# KiCad board flatlight_rev21.kicad_pcb (continued)
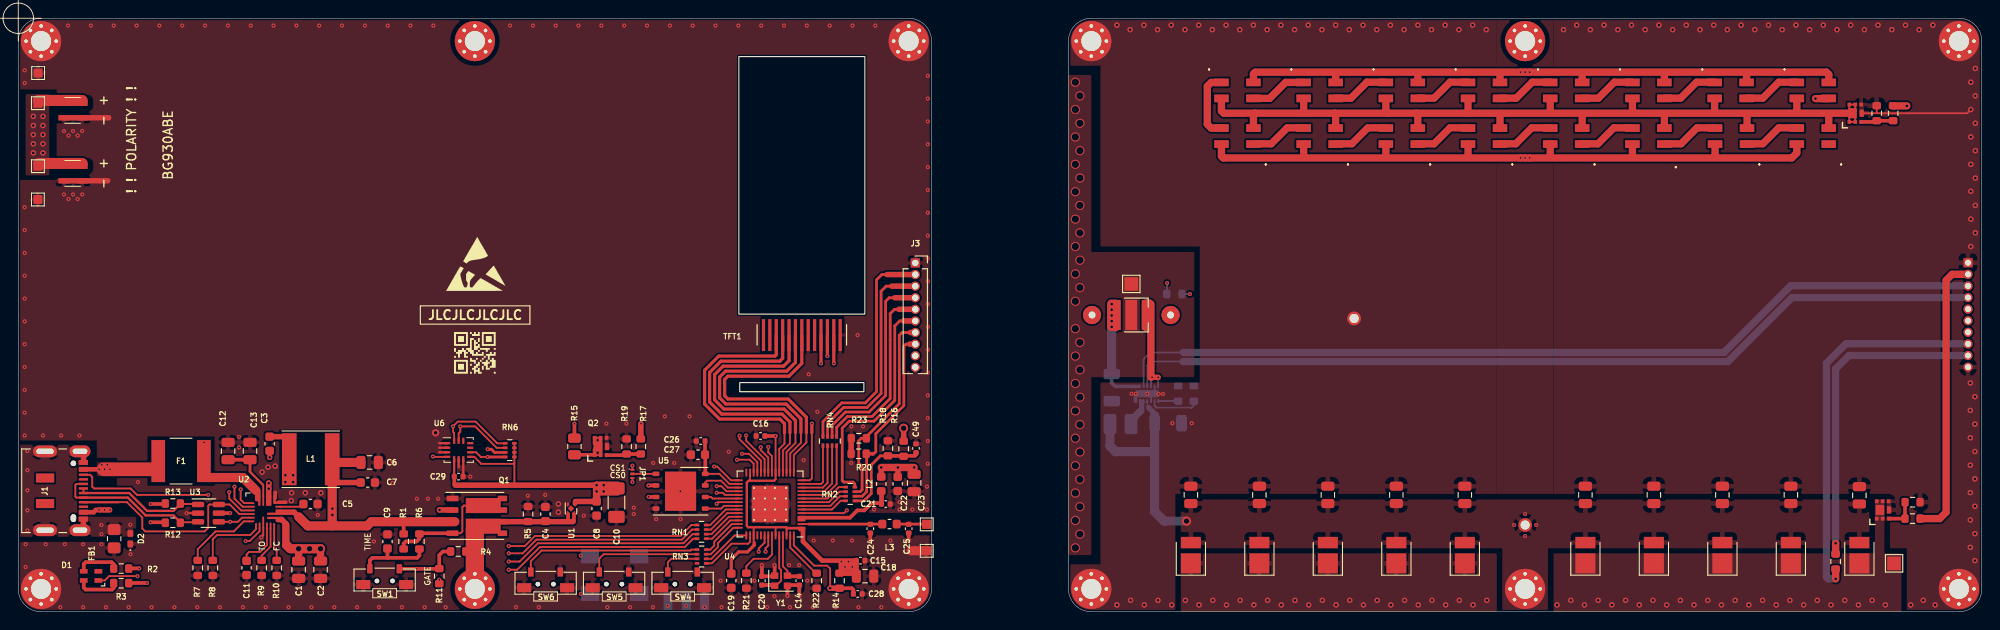
[diagram p0: board, top side]
## Routing (per net, layer and track width the routed paths; a pad name or vN(x,y) marks a point on that pad's centre or on a via; arc(x,y) is an arc through that point)
+3V3: length 301.2
  Top w0.2: U4.54 84.13,9.1 84.18,9.15 ; 47.73,14.82 C29.2 ; U4.51 82.93,9.25 ; U6.8 49.94,16.96 50.7,16.2 54.3,16.2 ; 80.53,7.23 U4.45 80.53,9.2 ; U4.27 80.13,14.35 ; v3(82.93,19.25) U4.20 82.93,14.5 ; 54.36,13.86 54.33,13.9 RN6.5 RN6.8 ; 89.93,5.6 R14.2
  Top w0.25: U6.5 47.73,14.82 ; 84.18,9.15 84.08,9.25 79.93,9.25 79.78,9.4 79.78,14.15 79.98,14.35 82.78,14.35 82.93,14.5
  Top w0.3: 85.82,9.15 84.18,9.15
  Top w0.35: TFT1.10 v3(87.9,27.2) ; C19.2 78.08,5.75 78.88,6.55 79.85,6.55 80.6,7.3 80.6,7.55 ; TFT1.12 v3(89.3,27.2)
  Top w0.4: 47.85,13.86 47.75,13.97 C29.2 ; 63.29,13.9 v1(63.33,13.86) ; C16.2 v3(82.93,19.25)
  Top w0.5: 85.63,9.05 85.93,9.05 85.93,7.7 88.03,5.6 C15.2 ; 60.97,11.84 60.97,12.1
  Top w0.6: C8.2 61.02,12.08 ; R14.2 91.45,4.22 ; v1(98.1,15.8) 98.1,14.95 ; v1(63.33,13.86) 47.85,13.86 ; 90.16,5.2 91.69,5.2 ; v1(94.5,15.8) 94.5,14.86 ; 90.16,4.8 91.69,4.8 ; C15.2 91.75,3.93 ; 96.33,15.8 96.33,14.77
  Top w0.8: v1(98.1,15.8) v1(94.5,15.8) ; 65.63,13.86 v1(63.33,13.86) ; C8.2 63.33,13.85 ; 63.32,13.12 65.63,13.12 ; v1(199,7.5) R26.1
  In2.Cu w0.4: v3(82.93,19.25) 82.93,15.28
  In2.Cu w0.5: v3(90.93,5.5) 88.15,5.5 85.45,8.2 85.45,14.99 85.12,15.31
  In2.Cu w0.6: v3(87.9,27.2) 94.5,27.2 ; J4.9 211.74,28.06 210.95,28.85 206.14,28.85 200.99,34 129.1,34 v3(128.3,34.8) ; v3(90.13,5.5) 90.13,5.57
  In2.Cu w0.8: 78.25,15.28 76.05,17.47 ; v1(94.5,15.8) 98.33,15.8
  In2.Cu w1: 76.05,17.47 63.72,17.47 ; v3(90.53,4.9) v3(91.33,4.9) ; 78.25,15.28 94.48,15.28 94.5,15.3 v1(94.5,15.8) 94.5,27.7 94.84,28.04 J3.9 ; v3(90.13,5.5) v3(90.93,5.5)
  In2.Cu w2: 63.72,16.97 63.72,13.17
  Bottom w0.2: v3(128.3,34.8) R27.1
  Bottom w0.8: v1(199,7.5) 199,26.6 200.46,28.06 J4.9
  vias: v1(63.33,13.17) v1(64.1,13.86) v1(64.1,13.17) v1(96.33,15.8)
GND: length 46
  Top w0.2: Q3.2 206.95,54.6 213.4,54.6 v1(213.8,55) ; R25.1 203.5,54.65 ; 82.83,5.08 v3(82.8,5.1) ; v3(18.43,10.8) U3.2 ; 26.65,8.1 v3(26.6,8.15) 26.83,8.38 U2.9 ; 48.73,14.82 C29.1
  Top w0.25: U6.2 46.09,17.96 ; U6.1 46.09,18.46 ; U6.3 46.09,17.46 ; U6.6 48.23,15.83 ; U6.7 48.73,14.82
  Top w0.4: 28.51,12 29.29,12 ; 81.43,3.93 v3(81.43,5.1) ; 81.51,3.89 82.74,3.89 ; 84.3,2.92 C14.2 v3(85.53,1.75) ; v3(93.3,7.8) C24.1 ; 82.83,3.92 82.83,5.08 ; 84.23,2.85 v3(84.23,1.75) ; 28.13,12.42 28.13,13.08 ; v3(97.5,7.8) C25.1
  Top w0.6: R23.1 91.2,18.98 R20.1 ; BT1.5 9.9,54.1 ; 4.9,47.2 9.8,47.2
  Top w1: TP8.1 97.77,6.67
  Bottom w0.2: U7.13 124.42,24.3 v3(124.87,23.85) ; U7.3 124.02,23.47
  Bottom w0.4: 122.33,23.08 122.33,23.57
  vias: v1(26.7,15.3) v1(27.35,15.83) v1(28.12,15.95) v1(29.92,13.02) v1(29.9,12.17) v1(31.42,13.02) v1(33.12,13.02) v1(59.15,11.8) v1(59.15,10.9) v1(120.3,64.25) v1(120.3,0.75) v1(121.75,63.75) v1(121.8,1.25) v1(123.25,64.25) v1(123.3,0.75) v1(124.75,63.75) v1(124.8,1.25) v1(126.25,64.25) v1(126.3,0.75) v1(127.75,63.75) v1(129.25,64.25) v1(130.75,63.75) v1(132.25,64.25) v1(133.75,63.75) v1(135.25,64.25) v1(136.75,63.75) v1(138.25,64.25) v1(139.75,63.75) v1(141.25,64.25) v1(142.75,63.75) v1(144.25,64.25) v1(145.75,63.75) v1(147.25,64.25) v1(148.75,63.75) v1(150.25,64.25) v1(151.75,63.75) v1(153.25,64.25) v1(154.75,63.75) v1(156.25,64.25) v1(157.75,63.75) v1(159.25,64.25) v1(160.75,63.75) v1(169.2,63.75) v1(170.65,64.25) v1(172.15,63.75) v1(173.65,64.25) v1(175.15,63.75) v1(176.65,64.25) v1(178.15,63.75) v1(179.65,64.25) v1(181.15,63.75) v1(182.65,64.25) v1(184.15,63.75) v1(185.65,64.25) v1(187.15,63.75) v1(188.65,64.25) v1(190.15,63.75) v1(191.65,64.25) v1(193.15,63.75) v1(194.65,64.25) v1(196.15,63.75) v1(197.65,64.25) v1(199.15,63.75) v1(200.65,64.25) v1(202.15,63.75) v1(203.65,64.25) v1(205.15,63.75) v1(206.65,64.25) v1(207.23,0.75) v1(208.15,63.75) v1(208.6,1.25) v1(209.65,64.25) v1(209.9,0.75) v1(213.75,25.05) v1(213.75,22.05) v1(213.75,19.05) v1(213.75,16.05) v1(213.75,13.05) v1(213.75,10.05) v1(213.75,7.05) v1(213.8,58) v1(213.8,52) v1(213.8,49) v1(213.8,46.05) v1(213.8,43) v1(213.8,40) v1(214.25,23.55) v1(214.25,20.55) v1(214.25,17.55) v1(214.25,14.55) v1(214.25,11.55) v1(214.25,8.55) v1(214.25,5.6) v1(214.3,59.5) v1(214.3,56.5) v1(214.3,53.5) v1(214.3,50.5) v1(214.3,47.5) v1(214.3,44.5) v1(214.3,41.5) v3(0.7,59.3) v3(0.7,57.9) v3(0.7,44.3) v3(0.7,41.8) v3(0.7,39.3) v3(0.7,36.8) v3(0.7,34.3) v3(0.7,31.8) v3(0.7,29.3) v3(0.7,26.8) v3(0.7,24.3) v3(0.7,21.8) v3(0.7,19.3) v3(0.8,7.4) v3(0.8,4.9) v3(2.7,19.3) v3(3,7.4) v3(4.6,0.5) v3(4.7,19.3) v3(5,52.65) v3(5,45.7) v3(5.1,7.4) v3(5.45,64.2) v3(5.5,52.15) v3(5.5,45.2) v3(6,52.65) v3(6,45.7) v3(6.5,52.15) v3(6.5,45.2) v3(6.7,19.3) v3(7,52.65) v3(7,45.7) v3(7.1,7.4) v3(7.1,0.5) v3(7.95,64.2) v3(9.1,7.4) v3(9.6,0.5) v3(10.45,64.2) v3(12.1,0.5) v3(12.3,6.3) v3(12.95,64.2) v3(13.1,14.2) v3(14.6,0.5) v3(15.45,64.2) v3(17.1,0.5) v3(17.95,64.2) v3(19.6,0.5) v3(20.45,64.2) v3(22.1,0.5) v3(22.95,64.2) v3(24.18,19.15) v3(24.18,18) v3(24.6,0.5) v3(25.45,64.2) v3(27.1,0.5) v3(27.95,64.2) v3(29.6,0.5) v3(30.45,64.2) v3(32.1,0.5) v3(32.8,10.6) v3(32.95,64.2) v3(34.6,0.5) v3(35.45,64.2) v3(37.1,0.5) v3(37.95,64.2) v3(38.95,7.7) v3(39.5,0.5) v3(40.45,64.2) v3(41,16.4) v3(41,14.1) v3(42,0.5) v3(42.95,64.2) v3(43.65,12.38) v3(44.5,0.5) v3(44.85,12.38) v3(45.45,64.2) v3(45.97,12.38) v3(46.8,0.5) v3(49.5,14.8) v3(53.85,64.2) v3(54.5,0.5) v3(55.8,12.7) v3(56.35,64.2) v3(57,0.5) v3(57.7,12.8) v3(58.85,64.2) v3(61.35,64.2) v3(61.92,10.52) v3(63.85,64.2) v3(64.4,20.6) v3(64.5,0.5) v3(66.35,64.2) v3(66.6,20.6) v3(67,0.5) v3(67.4,11.4) v3(67.4,10.7) v3(68.85,64.2) v3(69.52,16.3) v3(69.5,0.5) v3(69.85,10.15) v3(70.8,21.4) v3(71.35,64.2) v3(71.83,16.3) v3(72.5,13.2) v3(72.52,10.15) v3(73.5,21.4) v3(73.85,64.2) v3(75.15,0.5) v3(76.35,64.2) v3(76.9,3.4) v3(77,0.5) v3(77.8,17.52) v3(78.85,64.2) v3(79.5,0.5) v3(80.6,3.4) v3(81.35,64.2) v3(81.4,1.7) v3(82,0.5) v3(82.8,1.7) v3(83.85,64.2) v3(84.4,5.1) v3(84.5,0.5) v3(85.5,5.1) v3(86,16.6) v3(86.35,64.2) v3(86.4,3.4) v3(86.55,26) v3(87,0.5) v3(87.1,7.8) v3(87.5,21.9) v3(88.85,64.2) v3(89.2,7.8) v3(89.5,0.5) v3(91.23,20.3) v3(91.2,16.3) v3(91.3,7.8) v3(91.35,64.2) v3(91.9,30.3) v3(92,0.5) v3(92.5,20.3) v3(93.7,11.2) v3(93.85,64.2) v3(94.5,0.5) v3(95.5,7.8) v3(96.5,12) v3(96.5,11.2) v3(97.9,11.2) v3(99.5,13.7) v3(99.5,11.2) v3(99.6,58.7) v3(99.6,56.2) v3(99.6,53.7) v3(99.6,51.2) v3(99.6,48.7) v3(99.6,46.2) v3(99.6,43.7) v3(99.6,41.2) v3(99.6,38.7) v3(99.6,36.2) v3(99.6,33.7) v3(99.6,31.2) v3(99.6,28.7) v3(99.6,26.2) v3(99.6,23.7) v3(99.6,21.2) v3(99.6,18.7) v3(99.6,16.2) v3(121.9,23.88) v3(122.37,23.88) v3(123.62,23.88) v3(125.35,23.85) v3(126.37,20.65) v3(128.5,20.65) v4(45.7,19.6)
GNDPWR: length 2.1
  Top w0.4: 7.13,9.3 J1.S1 ; 7.13,17.19 J1.S1
  Top w0.6: 7.15,16.95 7.15,16.45 ; 7.13,10.1 7.13,9.6
  vias: v3(1,17.6) v3(1,15.5) v3(1,13.3) v3(1,11.1) v3(1,8.9) v3(9.1,9.5) v3(9.1,8.5) v3(12.27,9.53)
VBUS: length 19.2
  Top w0.4: U3.5 v3(23.2,10.8)
  Top w0.6: U2.23 26.23,13.27
  Top w1: 26,13.3 24.6,14.7 20.83,14.7
  In2.Cu w0.4: v3(20.35,18.55) 19.95,18.55 19.7,18.3 19.7,11.1 20,10.8 v3(23.2,10.8)
VDD_SPI: length 7.5
  Top w0.2: U5.8 76.77,15.11 77.88,14 U4.30 ; 75.23,17.17 C27.2
  Top w0.4: C27.2 75.2,18.49 ; U5.8 75.23,17.17
+BATT: length 144.9
  Top w0.6: R16.2 v2(96.95,20.1) ; 29.3,9.5 29.3,9.65 28.85,10.1 U2.14
  Top w0.8: 29.3,9.5 29.3,7.25 29.65,6.9 ; v2(30.7,6.9) C1.2 ; v2(33.1,6.9) C2.2
  Top w1: 29.4,7.3 29.8,6.9 v2(33.1,6.9)
  Top w1.2: 7,56 2.2,56 ; 7,49.1 2.25,49.1
  In1.Cu w0.8: v2(96.95,20.1) 96.95,22.5 96.35,23.1 3.4,23.1 2.7,23.8 v1(2.7,50.25)
  vias: v1(1.65,54.25) v1(1.65,53.25) v1(1.65,52.25) v1(1.65,51.25) v1(1.65,50.25) v1(2.7,54.25) v1(2.7,53.25) v1(2.7,52.25) v1(2.7,51.25) v2(31.9,6.9)
ADC_BATV: length 10.9
  Top w0.3: RN2.5 92.61,12.15 93.4,12.94 93.4,16.07 94.4,17.08 95.23,17.08
  Top w0.4: 95.23,17.08 98.17,17.08 98.33,17.23 98.33,17.42
BNT_DIG1: length 19.9
  Top w0.2: SW6.2 56.12,5.52 57.3,6.7 73.6,6.7 73.7,6.8 RN3.5
BNT_DIG2: length 12.4
  Top w0.2: RN3.6 64.1,6.3 63.62,5.83 SW5.2
BNT_DIG3: length 4.4
  Top w0.2: SW4.2 71.12,5.42 71.5,5.8 RN3.7
CC1: length 24
  Top w0.2: U3.4 v3(23.2,9.85) 24.05,9.85 24.5,10.3 25.4,10.3 ; v3(20.8,12.8) 13,12.8 12.3,13.5 8.3,13.5 8.1,13.7 8.1,14.77 7.87,15 7.13,15
  In1.Cu w0.2: v3(20.8,12.8) 20.8,10.2 21.15,9.85 v3(23.2,9.85)
CC2: length 23.2
  Top w0.2: U2.4 24.2,10.7 23.15,11.75 U3.6 20.95,11.75 20.8,11.6 20.8,9.2 20.4,8.8 13.9,8.8 13.58,9.12 13.58,10.32 11.9,12 11,12
  Top w0.25: 11,12 7.13,12
D+: length 14.2
  Top w0.2: 7.13,13.5 7.13,13 ; U3.1 19.64,11.8 17.75,11.8
  Top w0.25: 17.75,11.8 17,11.05 14.1,11.05 12.15,13 7.13,13
D-: length 16.8
  Top w0.2: 7.13,12.5 6.35,12.5 6.25,12.6 6.25,13.88 6.38,14 7.13,14 ; 17.75,9.8 19.64,9.8 U3.3
  Top w0.25: 17.75,9.8 17,10.55 13.95,10.55 12,12.5 7.13,12.5
DISP_BACKLIGHT: length 27.6
  Top w0.2: 86.9,19.6 86.9,14.6 86.7,14.4 U4.14
  Top w0.35: 86.9,19.6 v3(86.9,20.6)
  Top w0.6: v3(68.18,20.6) 68.18,18.94 R17.1
  In1.Cu w0.4: v3(86.9,20.6) v3(68.18,20.6)
DISP_CLK: length 29.9
  Top w0.2: U4.18 83.73,17.66 84.5,18.43 84.5,19.6
  Top w0.35: 83.7,30.25 83.7,27.75 83.4,27.45 76.95,27.45 75.7,26.2 75.7,22.98 77.03,21.65 83.63,21.65 84.5,20.78 84.5,19.6
DISP_CS: length 30.6
  Top w0.2: 86.3,19.6 86.3,18.54 84.93,17.17 U4.15
  Top w0.35: 85.8,30.25 85.8,27.2 84.4,25.8 77.7,25.8 77.35,25.45 77.35,23.66 77.71,23.3 84.31,23.3 86.3,21.31 86.3,19.6
DISP_DATA: length 29.6
  Top w0.2: U4.19 83.33,17.83 83.9,18.4 83.9,19.6
  Top w0.35: TFT1.3 83,28.15 82.85,28 76.7,28 75.15,26.45 75.15,22.75 76.8,21.1 83.4,21.1 83.9,20.6 83.9,19.6
DISP_DC: length 30.2
  Top w0.2: 85.1,19.62 85.1,18.47 84.13,17.5 U4.17
  Top w0.35: 85.1,19.62 85.1,20.95 83.86,22.2 77.26,22.2 76.25,23.2 76.25,25.97 77.18,26.9 83.8,26.9 84.4,27.5 84.4,30.25
DISP_RESET: length 30.4
  Top w0.2: U4.16 84.53,17.33 85.7,18.5 85.7,19.62
  Top w0.35: 85.7,19.62 85.7,21.13 84.08,22.75 77.48,22.75 76.8,23.43 76.8,25.7 77.45,26.35 84.15,26.35 85.1,27.3 85.1,30.25
EN: length 46.9
  Top w0.2: U4.56 84.93,7.27 87.15,5.05 88.58,5.05 88.9,4.72 v1(88.9,2.58)
  Top w0.4: C28.1 91.45,2.4 91.27,2.58 89.93,2.58
  Top w0.6: v1(88.9,2.58) 89.93,2.58
  In1.Cu w0.2: v1(88.9,2.58) 88.9,6.45 88.15,7.2 80.3,7.2 78.75,5.65 62.05,5.65 61.6,5.2 v3(61.6,1.95)
ENBST: length 55.2
  Top w0.2: v3(24.9,7.75) 25.35,7.75 26.43,8.83 U2.8 ; v3(53.7,7.2) 55.47,7.2 56.57,8.3 72.5,8.3 73.7,9.5 RN1.5
  In1.Cu w0.4: v3(24.9,7.75) 24.9,6.3 25.5,5.7 40.2,5.7 42,7.5 52.8,7.5 53.1,7.2 v3(53.7,7.2)
ES_FLASH_EN: length 23.8
  Top w0.3: 95.66,35.66 95.04,35.66 94.48,35.1 94.48,23.9 92.95,22.37 90.37,22.37 88.62,20.62 RN4.7
  Top w0.6: 95.66,35.66 J3.3
ES_JS_LED_NTC: length 20.9
  Top w0.3: RN2.6 92.41,12.65 92.9,13.14 92.9,17.2 92.95,17.25 ; 93.63,17.25 93.9,17.52 93.9,19.5 96.98,22.58 96.98,29.07 97.21,29.31 97.61,29.31
  Top w0.4: R20.2 93.58,17.3
  Top w0.6: 97.61,29.31 J3.8
ES_LED_PWM: length 25.6
  Top w0.3: 95.13,36.93 94.55,36.93 93.98,36.35 93.98,24.11 92.74,22.87 90.16,22.87 88.12,20.83 RN4.8
  Top w0.6: 95.13,36.93 J3.2
ES_TORCH_EN: length 22.2
  Top w0.3: 95.99,34.39 95.36,34.39 94.98,34 94.98,23.68 93.17,21.87 90.57,21.87 89.12,20.42 RN4.6
  Top w0.6: J3.4 95.99,34.39
ES_WS_LDAT: length 20.4
  Top w0.3: 96.42,33.12 95.95,33.12 95.48,32.65 95.48,29.79 95.48,23.36 93.49,21.37 90.78,21.37 89.62,20.21 RN4.5
  Top w0.6: 96.42,33.12 J3.5
ES_WS_POWER: length 25.3
  Top w0.3: 96.95,31.85 96.52,31.85 95.98,31.3 95.98,23.15 93.7,20.87 90.99,20.87 90.23,20.11 90.23,14.37 90.4,14.2 91.4,14.2 91.6,14 RN2.8
  Top w0.6: 96.95,31.85 J3.6
ES_XP_LED_NTC: length 22
  Top w0.3: RN2.7 92.2,13.15 92.4,13.35 92.4,15.9 92.03,16.27 92.03,18.73 92.3,19 R23.2 92.87,19.18 96.48,22.78 96.48,30.28 96.78,30.58 97.68,30.58
  Top w0.6: 97.68,30.58 J3.7
GPIO0: length 37.9
  Top w0.2: v3(90.73,11.1) 90.43,10.8 U4.5
  In1.Cu w0.2: v3(90.73,11.1) 85.88,11.1 85.3,10.52 85.3,7.8 85.1,7.6 80,7.6 78.55,6.15 v3(61.6,6.15)
GPIO45: length 6.2
  Top w0.2: R21.2 79.73,5 80.52,5.8 82.08,5.8 82.53,6.25 U4.50
GPIO46: length 5.4
  Top w0.2: U4.55 84.53,7.02 87.33,4.22 R22.2
IMU_INT1: length 45.6
  Top w0.2: 81.28,18.05 v3(81.3,18.02) 81.3,17.71 82.13,16.88 U4.22 ; U6.4 45.44,16.96 v3(45.4,17)
  Top w0.3: RN6.3 52.15,17.45 51.8,17.8 v3(51.4,17.8)
  In1.Cu w0.2: v3(45.4,17) 45.4,18.2 45.9,18.7 81.1,18.7 81.3,18.5 v3(81.3,18.02) ; v3(51.4,17.8) 51.4,18.7
IMU_INT2: length 39.3
  Top w0.2: v3(82.13,18.05) 82.13,17.45 82.53,17.05 U4.21 ; U6.9 50.14,17.46 50.65,16.95 v3(51.4,16.95)
  Top w0.3: v3(51.4,16.95) RN6.4
  In1.Cu w0.2: v3(51.4,16.95) 52.75,18.3 80.1,18.3 81,17.4 82,17.4 82.13,17.53 v3(82.13,18.05)
INOK: length 92.5
  Top w0.2: RN1.7 73.83,8.5 72.83,7.5 56.9,7.5 54.9,5.5 v3(53.7,5.5) ; U2.2 24.57,11.5 23.68,12.39 v3(23.68,13.7) ; 12.11,4.75 R2.2
  Top w0.4: v3(13.25,4.75) 12.11,4.75
  In1.Cu w0.3: v3(23.68,13.7) 23.08,14.3 14.8,14.3 13.25,12.75 v3(13.25,4.75)
  In1.Cu w0.4: v3(13.25,4.75) 12.65,4.75 12.3,4.4 12.3,2.9 12.8,2.4 14.4,2.4 14.9,2.9 14.9,4.1 15.3,4.5 40.8,4.5 42.6,6.3 52.25,6.3 53.05,5.5 v3(53.7,5.5)
LS_FLASH_EN: length 96.6
  Bottom w0.2: U7.10 123.23,27.67 123.95,28.4 127.58,28.4
  Bottom w0.8: 127.58,28.4 186.79,28.4 194.07,35.68 J4.3
LS_JS_LED_NTC: length 41.9
  Top w0.8: R26.2 v1(199,3.6)
  Bottom w0.8: v1(199,3.6) 198.2,3.6 198,3.8 198,27.2 200.13,29.33 J4.8
LS_LED_PWM: length 31.2
  Top w0.8: R28.1 210.4,10.2 211.1,10.9 211.1,36.3 211.75,36.95 213.5,36.95
LS_PWM_PWR:
  vias: v1(127.8,1.25) v1(129.3,0.75) v1(130.8,1.25) v1(132.3,0.75) v1(133.8,1.25) v1(135.3,0.75) v1(136.8,1.25) v1(138.3,0.75) v1(139.8,1.25) v1(141.3,0.75) v1(142.8,1.25) v1(144.3,0.75) v1(145.8,1.25) v1(147.3,0.75) v1(148.8,1.25) v1(150.3,0.75) v1(151.8,1.25) v1(153.3,0.75) v1(154.8,1.25) v1(156.3,0.75) v1(157.8,1.25) v1(159.3,0.75) v1(160.8,1.25) v1(168.5,0.75) v1(170,1.25) v1(171.5,0.75) v1(173,1.25) v1(174.5,0.75) v1(176,1.25) v1(177.5,0.75) v1(179,1.25) v1(180.5,0.75) v1(182,1.25) v1(183.5,0.75) v1(185,1.25) v1(186.5,0.75) v1(188,1.25) v1(189.5,0.75) v1(191,1.25) v1(192.5,0.75) v1(194,1.25) v1(195.5,0.75) v1(197,1.25) v1(198.5,0.75) v1(200,1.25) v1(201.5,0.75) v1(203,1.25) v1(204.45,0.75)
LS_SYS: length 168.2
  Top w0.8: D18.4 194.75,50.25 194.2,49.7 v3(165.5,49.7) v3(165,49.7) v3(164.5,49.7) 131.95,49.7 131.75,49.9 D11.4 ; D14.4 158.75,49.9 ; D7.4 162.25,59 ; D17.4 185.8,49.9 ; D13.4 149.75,49.9 ; D9.4 144.25,59 ; D6.4 171.25,59 ; D3.4 198.25,58.85 198,59.1 v3(165.5,59.1) v3(165,59.1) v3(164.5,59.1) 135.45,59.1 135.25,58.9 D10.4 ; D4.4 189.25,58.9 ; D16.4 176.75,49.8 ; D8.4 153.25,58.9 ; D15.4 167.75,49.9 ; D12.4 140.75,49.9 ; D5.4 180.25,59
  Bottom w0.2: U7.4 123.62,22.3
  Bottom w0.6: 123.83,22.33 124.62,21.52
  Bottom w1: 124.42,21.45 C46.2 124.42,10.97 125.48,9.92 v2(127.92,9.92) ; L4.1 119.54,18.14 120.15,17.52 124.15,17.52
  vias: v3(163.8,9.5) v3(165,10.7) v3(165,8.3) v3(166.2,9.5)
LS_TORCH_EN: length 95.2
  Bottom w0.2: U7.11 123.62,26.95 124.08,27.4 127.55,27.4
  Bottom w0.8: 127.55,27.4 187.2,27.4 194.21,34.41 213.5,34.41
LS_WS_LDAT: length 40.2
  Top w0.8: v1(196.8,56.2) 198.23,56.2 D3.3
  In1.Cu w0.8: v1(196.8,56.2) 196.8,34.8 198.45,33.14 J4.5
LS_WS_POWER: length 31.1
  Top w0.8: R24.2 205.32,55.4 v1(206.8,55.4)
  In2.Cu w0.8: v1(206.8,55.4) 206.8,33 207.93,31.88 213.5,31.88
LS_XP_LED_NTC: length 91.9
  In2.Cu w0.6: v3(125.8,36) 126.1,35.7 128.75,35.7 129.65,34.8 201.32,34.8 206.48,29.65 210.85,29.65 211.81,30.6 J4.7
  Bottom w0.2: v3(125.8,36) 125.8,34.82 R27.2
LX: length 3.1
  Top w0.2: 29.2,19.17 29.23,19.2
  Top w0.6: C3.2 29.2,19.17 ; v1(27.42,14.08) 27.43,14.07 U2.20
  vias: v1(27.43,13.47) v1(29.25,14.95) v1(29.25,14.2) v1(30.1,14.95) v1(30.1,14.2)
PAD:
  vias: v5(115.75,58) v5(115.75,55) v5(115.75,52) v5(115.75,49) v5(115.75,46) v5(115.75,43) v5(115.75,40) v5(115.75,37) v5(115.75,34) v5(115.75,31) v5(115.75,28) v5(115.75,25) v5(115.75,22) v5(115.75,19) v5(115.75,16) v5(115.75,13) v5(115.75,10) v5(115.75,7) v5(116.25,56.5) v5(116.25,53.5) v5(116.25,50.5) v5(116.25,47.5) v5(116.25,44.5) v5(116.25,41.5) v5(116.25,38.5) v5(116.25,35.5) v5(116.25,29.5) v5(116.25,26.5) v5(116.25,23.5) v5(116.25,20.5) v5(116.25,17.5) v5(116.25,14.5) v5(116.25,11.5) v5(116.25,8.5)
PWRMAIN_SW: length 32.2
  Top w0.2: v3(46.1,3.5) 46.1,3.08 ; v3(53.7,4.6) 54.63,4.6 57.13,7.1 73,7.1 73.9,8 RN1.8
  In1.Cu w0.2: v3(53.7,4.6) 53.2,4.6 52.3,5.5 46.5,5.5 46.1,5.1 v3(46.1,3.5)
radio: length 8.9
  Top w0.2: 86.58,9.6 U4.2
  Top w0.3: 94.64,9.6 86.58,9.6
RX: length 17.3
  Top w0.2: U4.48 81.73,7.58 81.08,6.92 v3(81.08,6.58)
  In2.Cu w0.4: v3(81.08,6.58) 76.08,6.58 75.5,6 75.5,2.1 75.2,1.8 71.4,1.8 71.1,1.5 v3(71.1,0.65)
SCL: length 44.5
  Top w0.2: U4.23 81.73,16.72 79.7,18.74 v3(79.7,19.3) ; RN6.2 52.38,17.95 50.03,20.3 v3(48.4,20.3) 48.4,19.7 48.23,19.53 U6.13
  In1.Cu w0.2: v3(48.4,20.3) 48.4,19.9 48.6,19.7 78.66,19.7 78.76,19.8 79.2,19.8 v3(79.7,19.3)
SDA: length 45.7
  Top w0.2: RN6.1 52.45,18.45 50.08,20.82 48.12,20.82 v3(47.6,20.3) 47.6,19.7 47.73,19.57 U6.14 ; U4.24 81.33,16.55 78.98,18.9 v3(78.98,19.28)
  In1.Cu w0.2: v3(78.98,19.28) 78.96,19.3 48.1,19.3 47.6,19.8 v3(47.6,20.3)
SPICLK: length 3.7
  Top w0.2: U4.34 76.03,12.4 75.86,12.56 U5.6
SPICS0: length 14.3
  Top w0.2: v3(67.25,14.2) JP1.3 ; 76.45,13.03 77.15,13.03 77.38,12.8 U4.33
  In1.Cu w0.2: v3(76.48,13.03) 75.47,13.03 75.15,13.35 75.15,14.65 74.9,14.9 67.45,14.9 67.25,14.7 v3(67.25,14.2)
SPICS1: length 13.5
  Top w0.2: U4.29 78.04,14.4 76.54,15.9 v3(76.2,15.9) ; v3(67.25,16) JP1.1
  In1.Cu w0.2: v3(67.25,16) 67.25,15.5 67.45,15.3 74.8,15.3 75.4,15.9 v3(76.2,15.9)
SPID: length 3.8
  Top w0.2: U4.36 77.28,11.6 76.97,11.3 U5.5
SPIHD: length 4.4
  Top w0.2: U5.7 75.23,14.15 75.43,14.35 76.96,14.35 77.71,13.6 U4.31
SPIQ: length 12.6
  Top w0.2: v3(69,13.83) 69.01,13.83 ; v3(76.48,11.82) 76.66,12 U4.35
  Top w0.4: 69.01,13.83 U5.2
  In1.Cu w0.2: v3(76.48,11.82) 69.71,11.82 69.55,11.98 69.55,13.68 69.4,13.83 v3(69,13.83)
SPIWP: length 15.3
  Top w0.2: U4.32 77.55,13.2 77,13.75 v3(76.48,13.75) ; 69.82,12.58 U5.3
  Top w0.4: v3(69.02,12.58) 69.82,12.58
  In1.Cu w0.2: v3(69.02,12.58) 69.02,11.75 69.48,11.29 76.82,11.29 77.1,11.57 77.1,13.5 76.85,13.75 v3(76.48,13.75)
STAT: length 88.2
  Top w0.2: U2.3 24.4,11.1 23.1,12.4 v3(23.1,13.1) ; v3(53.7,6.4) 55.23,6.4 56.73,7.9 72.67,7.9 73.77,9 RN1.6 ; 12.11,3.15 R3.2
  Top w0.4: v3(14.1,3.15) 12.11,3.15
  In1.Cu w0.3: 23.1,13.08 22.38,13.8 15.01,13.8 13.75,12.54 13.75,5.25 14.1,4.9 v3(14.1,3.15)
  In1.Cu w0.4: 14.7,5.1 14,5.1 40.5,5.1 42.3,6.9 52.5,6.9 53,6.4 v3(53.7,6.4)
SYS: length 66.5
  Top w0.2: 40.83,9.8 40.89,9.86 ; v3(13.05,3.9) 13.05,3.9 9.95,3.9 9.48,3.43 D1.1
  Top w0.4: 42.2,8.52 42.2,9.8
  Top w0.6: C7.2 34.83,14.15 ; U2.16 30.2,10.9 30.7,10.4
  Top w1: 34.38,16.82 34.38,9.4 ; 47.8,9.86 38.66,9.86 38.2,9.4 31.7,9.4 30.7,10.4 ; C6.2 35.03,16.35
  In2.Cu w0.4: v1(34.4,10.6) 34.4,4.9 34.2,4.7 14.65,4.7 13.85,3.9 v3(13.05,3.9)
  In2.Cu w0.8: v1(34.4,10.6) v1(34.4,11.3)
SYSOUT: length 16
  Top w0.2: 53.03,8.59 Q1.5
  Top w0.4: 60.2,10.72 60.2,9.88 ; 60.85,10.7 60.85,9.87
  Top w0.6: Q1.6 60.73,9.86
  Top w2: H1.1 50,9.1
TX: length 15.5
  Top w0.2: U4.49 82.13,7.25 81.83,6.95 v3(81.83,6.58)
  In2.Cu w0.4: v3(81.83,6.58) 81.83,6.44 81.28,5.9 76.3,5.9 76.1,5.7 76.1,1.85 75.45,1.2 73.4,1.2 73.15,0.95 v3(73.15,0.65)
U_N: length 78.9
  Top w0.2: v3(79.25,17.3) 80.01,17.3 80.93,16.38 U4.25
  Top w0.4: v3(14.5,9.8) 16.1,9.8
  In1.Cu w0.2: v3(14.5,9.8) 14.5,10.4 14.7,10.6 16.85,10.6 18.65,8.8 77.52,8.8 79.73,11.01 79.73,16.82 v3(79.25,17.3)
U_P: length 77.6
  Top w0.2: v3(78.7,16.65) 80.1,16.65 80.53,16.22 U4.26
  Top w0.4: v3(14.5,11.8) 16.1,11.8
  In1.Cu w0.2: v3(14.5,11.8) 14.5,11.2 14.7,11 17.02,11 18.82,9.2 77.28,9.2 79.33,11.24 79.33,16.42 79.1,16.65 v3(78.7,16.65)
WS_GNDBUS: length 99.1
  Top w0.2: Q3.1 200.5,54.95 Q3.1 200.5,54.25 Q3.1 Q3.1 Q3.1 Q3.1
  Top w0.8: D6.2 167.75,54.8 ; D3.2 194.75,54.8 ; 153.1,54.6 153.25,54.45 D13.2 ; 153.1,54.6 158.8,54.6 ; 153.1,54.6 149.95,54.6 ; D9.2 140.75,54.65 140.8,54.6 ; D5.2 176.75,54.8 ; 158.8,54.6 200.8,54.6 ; 158.8,54.6 158.75,54.65 D7.2 ; D8.2 149.75,54.8 149.95,54.6 ; 144.2,54.6 140.8,54.6 ; 144.2,54.6 149.95,54.6 ; 144.2,54.6 144.25,54.55 D12.2 ; 140.8,54.6 135.45,54.6 ; D17.2 189.3,54.45 ; D4.2 185.75,54.75 ; D14.2 162.25,54.45 ; 135.45,54.6 132,54.6 131.75,54.85 D10.2 ; 135.45,54.6 135.25,54.4 D11.2 ; D16.2 180.25,54.45 ; D18.2 198.25,54.5 ; D15.2 171.25,54.4
XTAL_N: length 7.1
  Top w0.2: U4.52 83.33,4.77 83.53,4.57 83.53,3.4 82.97,2.85
  Top w0.4: 81.53,2.92 82.76,2.92
XTAL_P: length 5.9
  Top w0.2: 84.23,3.95 84.23,4.47 83.73,4.97 U4.53 ; 85.2,3.88 85.13,3.95
  Top w0.4: C14.1 84.3,3.88
Net-(C3-Pad1): length 9.4
  Top w0.2: U2.1 24.73,11.9 24.35,12.28 v3(24.35,13.4)
  Top w0.4: v1(27.53,16.9) C3.1
  In2.Cu w0.5: v1(27.53,16.9) 24.73,16.9 24.35,16.52 v3(24.35,13.4)
Net-(C5-Pad1): length 2.5
  Top w0.2: U2.17 31.25,11.5
Net-(C9-Pad1): length 8.3
  Top w0.2: 40.43,5.95 40.48,5.9
  Top w0.4: R6.2 43.93,6.15 43.68,5.9 38.78,5.9 38.5,5.62 SW1.2 ; C9.1 40.43,5.95
Net-(C11-Pad1): length 5.2
  Top w0.2: C11.1 25,6.27 25.27,6.55 26.48,6.55 27.23,7.29 U2.10
Net-(C12-Pad1): length 7
  Top w0.2: U2.22 26.83,13.9
  Top w0.25: 26.8,13.9 25.38,15.32 25.38,15.37
  Top w0.3: 25.38,15.37 C13.1
  Top w0.4: C12.1 C13.1
Net-(C21-Pad2): length 11.8
  Top w0.2: 85.43,10.1 86.08,10.1
  Top w0.4: 94.56,11.9 93.44,11.9 92.64,11.1 91.88,11.1 91.08,10.3 85.58,10.3 85.53,10.25
  Top w0.5: 94.53,11.79 94.53,13.19 L2.2
Net-(C25-Pad2): length 3.1
  Top w0.3: 96.21,9.6 99.33,9.6
Net-(C47-Pad2): length 19.5
  Top w1: v1(119.73,33.7) v1(119.73,31.2) ; 120.1,33.7 120.1,31.2
  Bottom w0.4: 122.73,24.67 120.1,24.67 119.73,25.05 C47.2
  Bottom w0.6: 119.73,33.69 119.73,28.51
  Bottom w1: v1(119.73,31.2) C47.2
  vias: v1(119.73,33.07) v1(119.73,32.45) v1(119.73,31.82)
Net-(D1-Pad3): length 4.8
  Top w0.4: R3.1 10.45,2.59 10.28,2.43 7.37,2.43 7.17,2.63 D1.3
Net-(D1-Pad4): length 4.7
  Top w0.4: D1.4 7.17,5.23 7.37,5.43 10.22,5.43 10.45,5.2 R2.1
Net-(D3-Pad1): length 6.2
  Top w0.8: 194.75,58 192.77,58 191.02,56.25 189.25,56.25
Net-(D4-Pad1): length 6.2
  Top w0.8: 185.75,58 183.77,58 182.02,56.25 180.25,56.25
Net-(D5-Pad1): length 6.2
  Top w0.8: 176.75,58 174.77,58 173.02,56.25 171.25,56.25
Net-(D6-Pad1): length 6.2
  Top w0.8: 162.25,56.25 164.02,56.25 165.77,58 167.75,58
Net-(D7-Pad1): length 6.2
  Top w0.8: 158.75,58 156.77,58 155.02,56.25 153.25,56.25
Net-(D8-Pad1): length 6.2
  Top w0.8: 144.15,56.25 145.93,56.25 147.68,58 149.65,58
Net-(D10-Pad1): length 7.6
  Top w0.8: D10.1 130.62,57.97 130.2,57.55 130.2,53.4 130.62,52.97 D11.3
Net-(D10-Pad3): length 6.2
  Top w0.8: D9.1 138.77,57.97 137.02,56.22 D10.3
Net-(D11-Pad1): length 6.2
  Top w0.8: 135.43,51.25 137.2,51.25 138.95,53 140.93,53
Net-(D12-Pad1): length 6.2
  Top w0.8: 149.75,53 147.77,53 146.02,51.25 144.25,51.25
Net-(D13-Pad1): length 6.2
  Top w0.8: 158.75,53 156.77,53 155.02,51.25 153.25,51.25
Net-(D14-Pad1): length 6.2
  Top w0.8: 162.2,51.25 163.98,51.25 165.73,53 167.7,53
Net-(D15-Pad1): length 6.2
  Top w0.8: 176.7,53 174.73,53 172.98,51.25 171.2,51.25
Net-(D16-Pad1): length 6.2
  Top w0.8: 185.8,53 183.82,53 182.07,51.25 180.3,51.25
Net-(D17-Pad1): length 6.2
  Top w0.8: 189.25,51.25 191.02,51.25 192.77,53 194.75,53
Net-(D35-Pad1): length 15.8
  Top w0.6: 124.02,25.67 v3(124.83,25.67)
  Top w0.8: 124.02,25.67 124.02,33.7
  Top w1: 123.52,33.72 123.52,31.22 ; 123.83,33.72 123.83,31.22
  Bottom w0.2: U7.14 v3(124.83,25.67) ; U7.12 124.02,25.67
  vias: v3(124.15,25.67)
Net-(F1-Pad1): length 10.3
  Top w0.5: 7.13,10.9 8.25,10.9 8.5,11.15 8.9,11.15 ; 7.13,15.6 v3(8.85,15.6)
  Top w0.6: 8.9,11.15 10,11.15
  Top w1.5: 9.35,15.6 15,15.6
  vias: v3(8.85,11.15) v3(9.15,16.1) v3(9.45,15.6) v3(9.45,11.15) v3(9.75,16.1) v3(10.05,15.6) v3(10.05,11.15)
Net-(JP1-Pad2): length 2.6
  Top w0.2: U5.1 69.82,15.1 JP1.2
Net-(L4-Pad2): length 2.9
  Bottom w0.2: 121.85,21.22 121.85,20.56 L4.2
  Bottom w0.6: 123.02,22.95 123.02,22.11
  Bottom w0.8: 122.91,22.01 121.94,21.04
Net-(Q1-Pad2): length 17.4
  Top w0.2: 46.08,4.7 R11.1
  Top w0.4: SW1.1 46.08,4.7 ; R4.2 46.5,6.6 46.1,6.2 R11.1
  Top w0.6: 47.52,11.15 v1(46.13,11.15)
  In2.Cu w0.5: v1(46.13,11.15) 46.13,5.25 45.58,4.7 v3(43.55,4.7)
Net-(Q1-Pad4): length 12.9
  Top w0.2: Q1.4 48.42,8.59 48.63,8.8 48.63,11.47 48.79,11.63 Q1.7 ; 44,8.59 43.93,8.52
  Top w0.4: Q1.4 44,8.59 ; 43.93,8.52 43.93,8 43.63,7.7 42.43,7.7 42.2,7.48 R1.2
Net-(Q2-Pad1): length 7.6
  Top w0.2: Q2.1 Q2.1 ; Q2.1 Q2.1
  Top w0.4: Q2.1 63.11,18.45 Q2.1 63.11,17.75 Q2.1 63.08,17.19 R15.2 ; Q2.1 Q2.1
Net-(Q2-Pad3): length 3.8
  Top w0.2: 66.49,17.15 R19.2
  Top w0.4: Q2.3 66.49,17.15 ; R19.2 R17.2
Net-(Q3-Pad3): length 3.6
  Top w0.2: 203.38,53.65 203.5,53.77
  Top w0.4: Q3.3 203.38,53.65 ; 203.5,53.77 205.3,53.77
Net-(Q4-Pad3): length 3.5
  Top w0.4: R28.2 R29.2 ; 204.86,10.2 206.54,10.2
Net-(R7-Pad1): length 8.1
  Top w0.2: U2.6 24.7,9.9 23.6,8.8 21.6,8.8 19.65,6.85 R7.1
Net-(R8-Pad1): length 7.6
  Top w0.2: R8.1 21.3,7.93 21.77,8.4 25.39,8.4 26.03,9.04 U2.7
Net-(R9-Pad2): length 3.9
  Top w0.2: U2.11 27.63,7.13 26.65,6.15 R9.2
Net-(R10-Pad1): length 3.6
  Top w0.2: R10.1 28.3,6.7 28.03,6.97 U2.12
Net-(R15-Pad1): length 38.5
  Top w0.35: TFT1.11 v3(88.6,28)
  Top w0.4: v3(60.9,20.6) R15.1
  In2.Cu w0.4: v3(60.9,20.6) 60.9,27.2 61.7,28 v3(88.6,28)
Net-(R30-Pad2): length 2.2
  Bottom w0.2: U7.1 127.02,23.08
Net-(R31-Pad2): length 5.5
  Bottom w0.2: 128.73,23.08 128.73,22.58 128.5,22.35 124.65,22.35 124.42,22.58 U7.2
Net-(RN1-Pad1): length 4.4
  Top w0.2: RN1.1 75.97,8 77.97,10 U4.40
Net-(RN1-Pad2): length 4.3
  Top w0.2: RN1.2 75.91,8.5 77.81,10.4 U4.39
Net-(RN1-Pad3): length 4.3
  Top w0.2: U4.38 77.64,10.8 75.84,9 RN1.3
Net-(RN1-Pad4): length 4.3
  Top w0.2: RN1.4 75.78,9.5 77.48,11.2 U4.37
Net-(RN2-Pad1): length 5.4
  Top w0.2: U4.9 88.6,12.4 89.85,13.65 RN2.1
Net-(RN2-Pad2): length 5.3
  Top w0.2: U4.8 88.77,12 89.92,13.15 RN2.2
Net-(RN2-Pad3): length 5.3
  Top w0.2: U4.7 88.93,11.6 89.98,12.65 RN2.3
Net-(RN2-Pad4): length 5.2
  Top w0.2: U4.6 89.1,11.2 90.05,12.15 RN2.4
Net-(RN3-Pad1): length 6.5
  Top w0.2: RN3.1 75.95,5.3 78.1,7.45 79.93,7.45 80.13,7.65 U4.44
Net-(RN3-Pad2): length 5.5
  Top w0.2: U4.43 78.45,8.36 75.89,5.8 RN3.2
Net-(RN3-Pad3): length 5
  Top w0.2: RN3.3 75.82,6.3 76.61,7.09 76.61,7.51 78.3,9.2 U4.42
Net-(RN3-Pad4): length 5
  Top w0.2: U4.41 78.14,9.6 76.21,7.68 76.21,7.25 75.76,6.8 RN3.4
Net-(RN4-Pad1): length 6.4
  Top w0.2: U4.13 87.93,14 88.12,14.19 RN4.1
Net-(RN4-Pad2): length 7.1
  Top w0.2: U4.12 88.11,13.6 88.62,14.11 RN4.2
Net-(RN4-Pad3): length 7.8
  Top w0.2: U4.11 88.27,13.2 89.12,14.04 RN4.3
Net-(RN4-Pad4): length 8.6
  Top w0.2: U4.10 88.44,12.8 89.62,13.98 RN4.4

## Copper pours and planes (outline as drawn; the poured copper is in the pictures)
GND on Top: 168.1,12.9 161.9,12.9 161.9,65 168.1,65
GND on Top: 100,0 0,0 0,7.65 13.4,7.65 13.4,10.9 10.8,10.9 10.8,16.85 8.6,16.85 8.6,18.75 0,18.75 0,47.3 4.2,47.3 4.2,57.2 0,57.2 0,65 100,65
GND on Top, In1.Cu, In2.Cu: 215,0 206.8,0 206.8,6.95 204.95,6.95 204.95,9.75 204.6,9.75 204.6,12.3 204.95,12.3 204.95,12.9 168.1,12.9 168.1,65 215,65
GND on Top, In1.Cu, In2.Cu: 161.9,12.9 126.7,12.9 126.7,0 115,0 115,5.2 118.5,5.2 118.5,25.1 129.38,25.1 129.38,40 118.5,40 118.5,59.8 115,59.8 115,65 161.9,65
GND on Bottom: 215,0 206.7,0 206.7,6.95 126.8,6.95 126.8,0 115,0 115,5.2 118.5,5.2 118.5,59.8 115,59.8 115,65 215,65
GND on Bottom, In1.Cu: 0,7.65 13.4,7.65 13.4,10.9 10.8,10.9 10.8,16.85 8.6,16.85 8.6,18.75 0,18.75 0,47.3 4.2,47.3 4.2,57.2 0,57.2 0,65 100,65 100,0 0,0 ; 1 cut-out
GND on Bottom, In1.Cu, In2.Cu: 17.9,57 47,57 47,1.3 14.8,1.3 14.8,4.1 34.9,4.1 34.9,7.95 17.9,7.95 ; 1 cut-out
GND on In2.Cu: 100,0 53,0 53,65 100,65
